# Altium PCB roach2.PcbDoc (part 21 of 39)
Units mil, origin at the board's own origin, x right, y up, seen from the top; angles counter-clockwise.
Board outline 12007.87 x 9606.3 mil, 16 copper layers (L1_TOP, L2_G, L3_S, L4_G, L5_S, L6_P, L7_G, L8_R, L9_R, L10_P, L11_P, L12_S, L13_P, L14_S, L15_G, L16_BOT), stack 81.651 mil thick; 1568 components, 1918 nets, 9251 pads, 6741 vias.
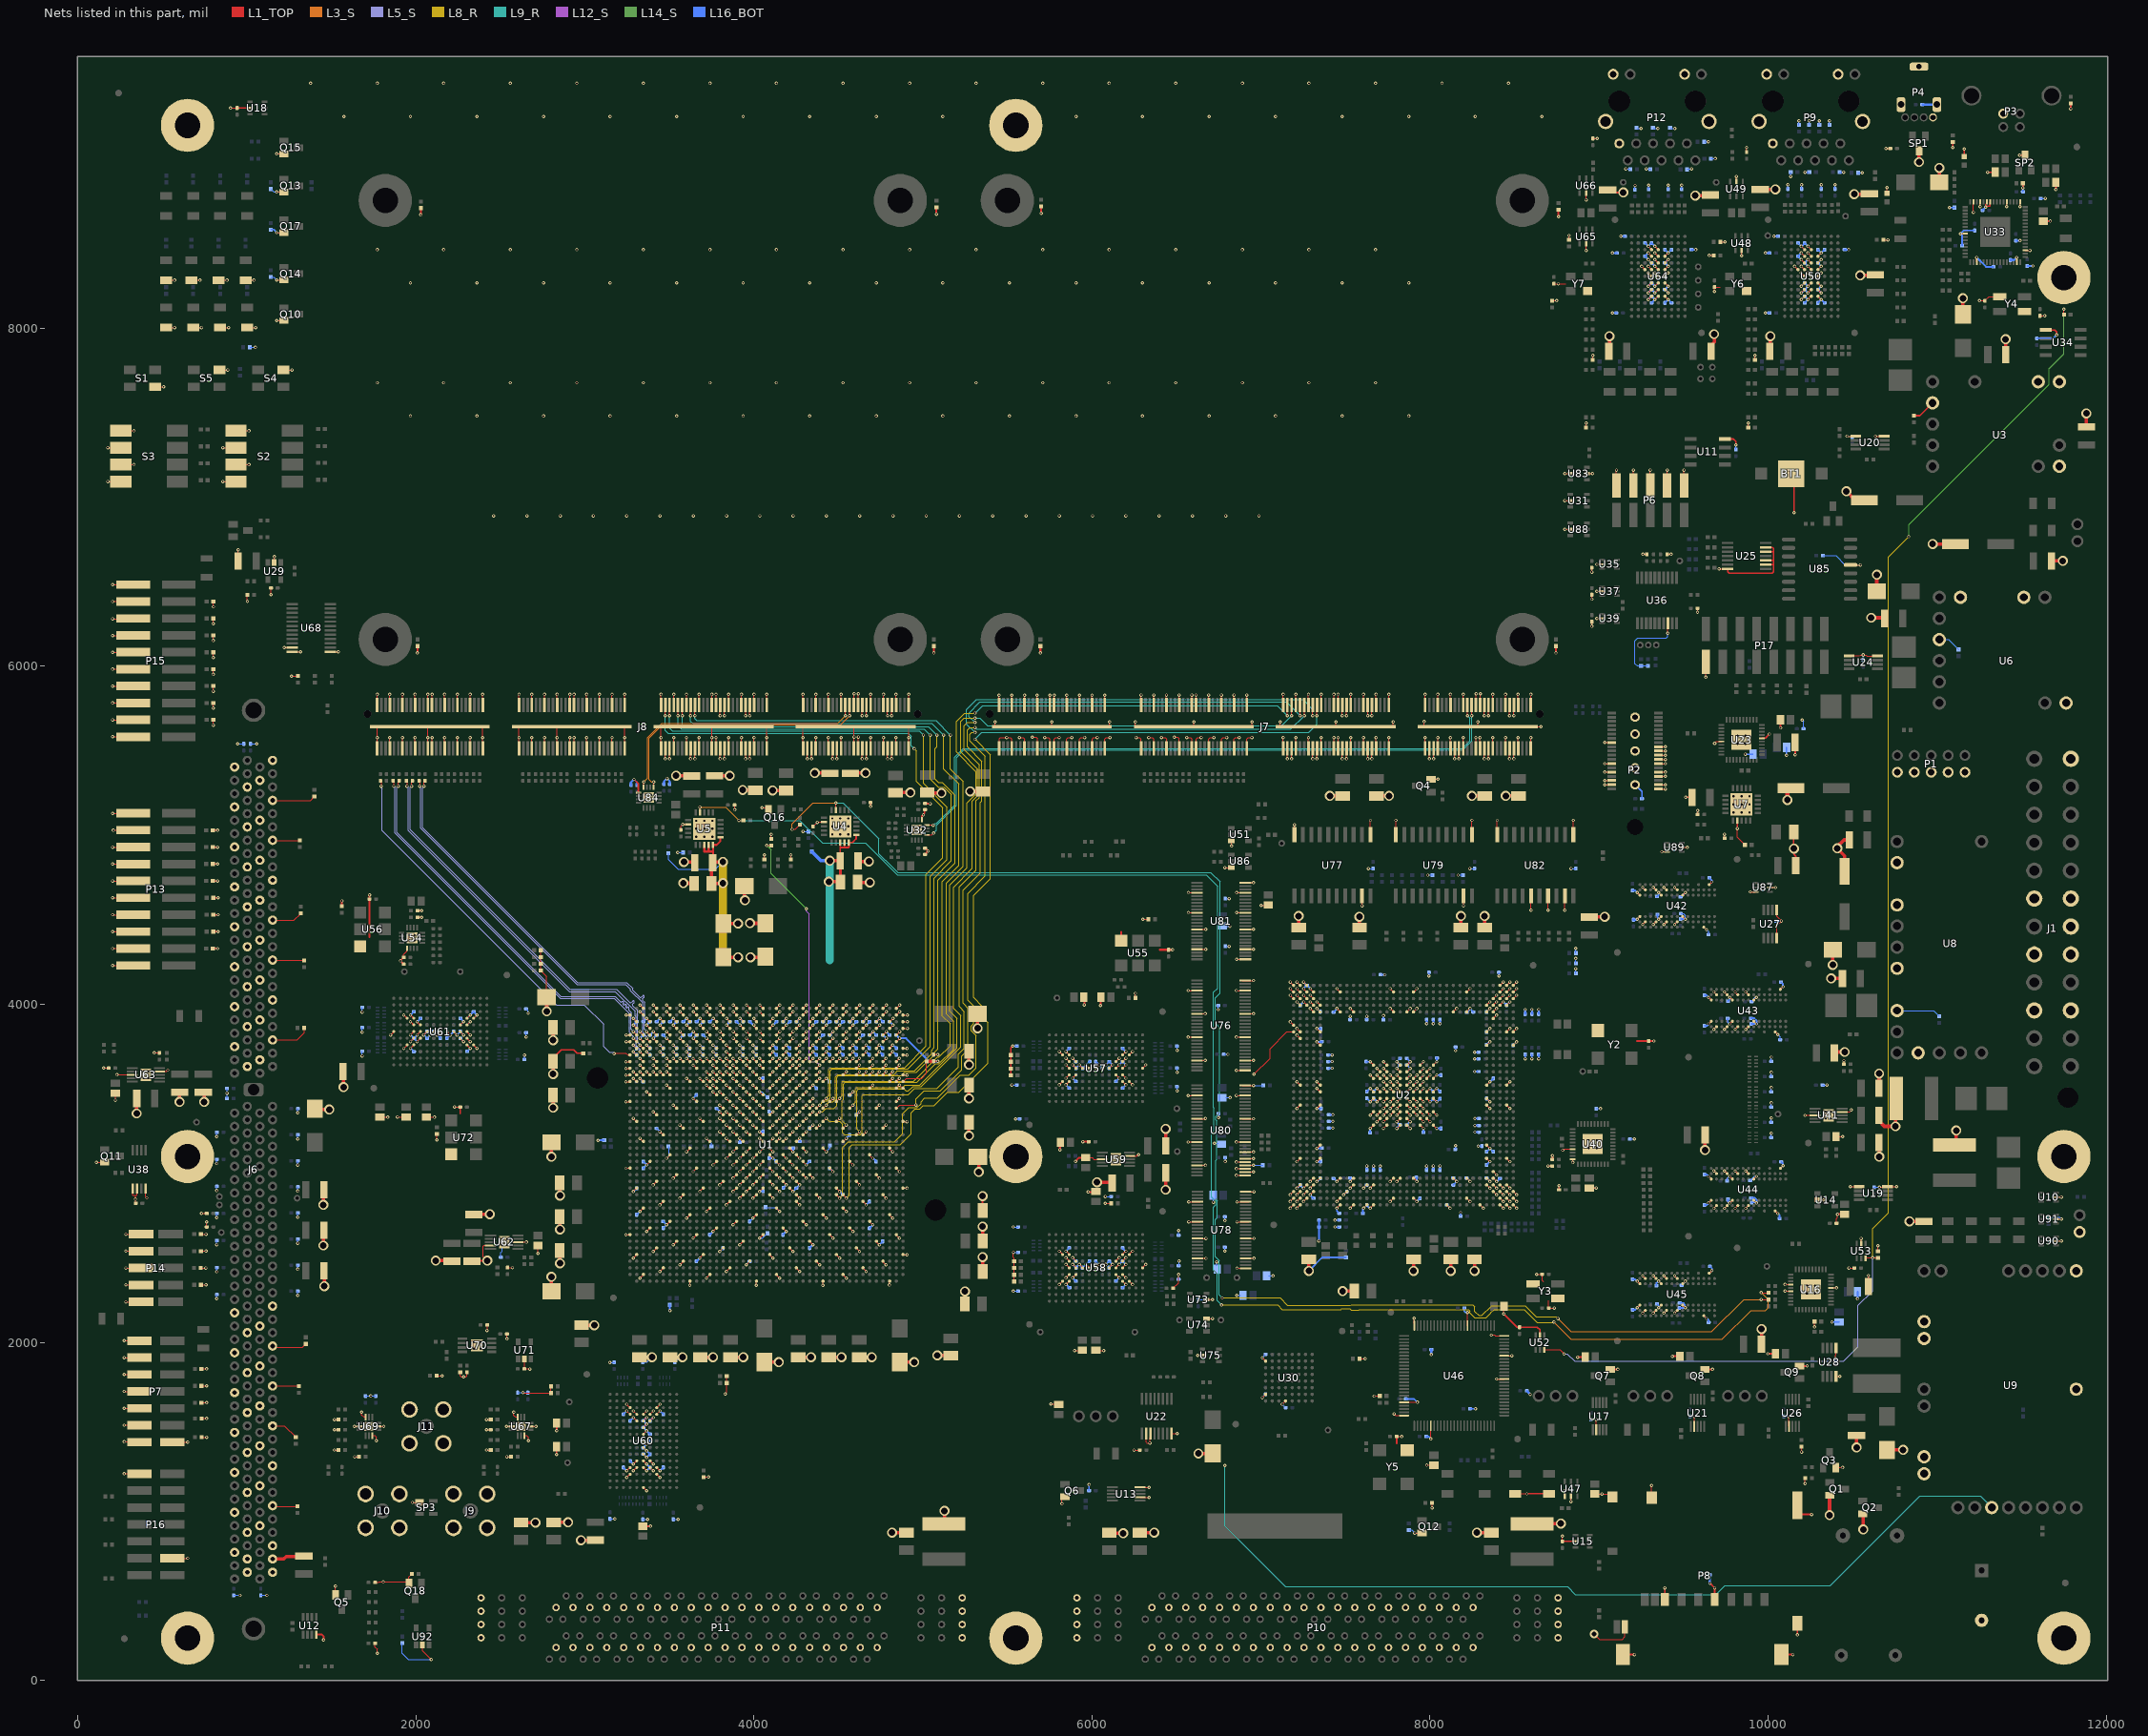
[diagram p35: the nets of this part, all layers, seen from the top]

## Via types
v1: diameter 19.4, hole 10, L1_TOP to L16_BOT, tented both sides, 3354 vias
v2: diameter 19.4, hole 10, L1_TOP to L16_BOT, 1954 vias
v3: diameter 19.4, hole 10, L1_TOP to L16_BOT, tented top, 429 vias
v4: diameter 18.6, hole 10, L1_TOP to L16_BOT, tented both sides, 311 vias
v5: diameter 59.06, hole 39.37, L1_TOP to L16_BOT, 217 vias
v6: diameter 19.4, hole 10.04, L1_TOP to L16_BOT, 125 vias
v7: diameter 19, hole 10, L1_TOP to L16_BOT, 93 vias
v8: diameter 19.4, hole 10, L1_TOP to L16_BOT, tented bottom, 80 vias
v9: diameter 25.98, hole 12.99, L1_TOP to L16_BOT, tented top, 55 vias
v10: diameter 20, hole 10, L1_TOP to L16_BOT, 53 vias
v11: diameter 59.06, hole 39.37, L1_TOP to L16_BOT, tented top, 44 vias
v12: diameter 20, hole 10, L1_TOP to L16_BOT, tented top, 16 vias
v13: diameter 19, hole 10, L1_TOP to L16_BOT, tented top, 5 vias
v14: diameter 25.98, hole 12.99, L1_TOP to L16_BOT, 4 vias
v15: diameter 50, hole 28, L1_TOP to L16_BOT, 1 vias

## Nets (pads, with @x,y where several pads share a name; then routed paths per layer and width w, separated by ;. In a path a pad name is that pad's centre, name@x,y a point inside that pad or via, vN(x,y) a via of type N, cw(c..) or ccw(c..) an arc to the next point about the centre after c; other vN are vias at no path point) (continued)
GND: (continued)
  L16_BOT w10: R225.1@1142.99,8583.31 1159.71,8583.31 v2(1177.42,8565.59) ; v1(1968.5,3779.53) 1988.19,3799.21 C599.1@1988.72,3799.74 ; v1@1969.03,3740.68 C578.1@1988.72,3721 ; v1@1969.03,3819.43 C599.1@1988.72,3799.74 ; v1@1969.03,3937.54 C580.1@1988.19,3956.69 C580.1@1988.72,3957.22 ; v1(2007.87,3779.53) C599.1@1989.17,3798.23 1988.72,3798.68 C599.1@1988.72,3799.74 ; v1@2008.4,3819.42 C599.1@1988.72,3799.74 ; v1@2008.4,3898.17 C573.1@2028.09,3917.85 ; C594.1@2067.46,3839.11 C594.1@2066.93,3838.58 2047.77,3819.43 2067.46,3799.74 v1(2086.61,3818.9) C600.1@2106.3,3838.58 2106.83,3839.11 2126.51,3819.43 2145.22,3800.73 C577.1@2148.17,3800.73 ; C576.1@2182.62,3799.74 2185.57,3799.74 v1(2204.73,3818.9) C597.1@2224.41,3838.58 2224.94,3839.11 2244.62,3819.43 C596.1@2263.78,3838.58 2264.31,3839.11 2283.99,3819.43 v1@2284.98,3819.43 ; C579.1@2264.31,3917.85 2283.01,3899.15 v1@2284.98,3899.15 ; C595.1@2267.26,3797.77 2267.26,3796.79 v1@2284,3780.06 ; C575.1@2303.68,3721 C575.1@2304.13,3721.46 2322.38,3739.7 v1@2323.36,3739.7 ; v1(2322.84,3937.01) C574.1@2342.52,3956.69 v1(2362.21,3937.01) ; C586.1@3227.82,1260.37 C586.1@3228.35,1259.84 v1@3247.5,1240.69 ; C583.1@3228.35,1574.8 v1(3248.03,1594.49) ; C585.1@3267.19,1299.74 v1@3286.87,1280.06 ; C590.1@3267.19,1535.96 3285.89,1554.66 v1@3285.89,1556.63 ; v1@3287.4,2893.7 3289.37,2893.7 3307.07,2911.4 C368.1@3308.07,2912.4 ; v2@3289.3,5329.34 v2(3290.99,5331.02) 3307.99,5314.02 C764.1@3307.99,5297.68 ; C369.1@3307.09,2755.91 v1@3325.55,2774.37 ; v1@3326.77,3562.99 v1@3327.09,3562.67 ; C606.1@3345.93,1339.11 3365.61,1319.43 3385.3,1339.11 3345.93,1378.48 3365.61,1398.17 3384.31,1416.87 C587.1@3384.31,1419.82 ; C402.1@3346.46,3070.86 v1@3366.14,3051.18 ; C343.1@3346.46,3897.64 v1(3366.14,3917.32) ; v1@3365.61,1240.69 3384.81,1259.88 3385.3,1260.37 v1(3366.14,1279.53) v1@3365.61,1280.06 ; v1@3365.61,1556.63 3365.61,1555.65 3345.93,1535.96 C610.1@3346.46,1535.43 3365.61,1516.28 3345.93,1496.59 C609.1@3346.46,1496.06 v1(3366.14,1476.38) 3385.3,1457.22 C588.1@3385.3,1454.27 ; C608.1@3387.27,1538.92 3388.25,1538.92 v1@3404.98,1555.65 ; C334.1@3425.2,3897.64 v1(3444.88,3917.32) ; C401.1@3426.18,3266.73 v1@3444.88,3248.03 ; v1@3444.35,1240.69 C584.1@3464.04,1260.37 ; v1@3445.34,1595.02 3445.34,1594.03 C589.1@3464.04,1575.33 ; C377.1@3464.57,2677.17 3484.25,2696.85 C390.1@3464.57,2716.53 ; v2@3484.3,5334.33 v2(3485.99,5336.02) 3502.99,5319.02 C763.1@3502.99,5302.68 ; v1@3641.73,3444.88 C405.1@3661.42,3464.57 ; C404.1@3780.51,3384.84 v1@3799.21,3366.14 ; v1@3799.21,2539.37 C382.1@3817.9,2558.06 C382.1@3818.9,2559.06 ; v1@3956.69,2460.63 C384.1@3975.38,2479.31 C384.1@3976.38,2480.31 ; C383.1@3976.38,2716.54 v1@3996.06,2736.22 ; v1@4114.17,3090.55 C371.1@4133.86,3070.87 ; C392.1@4174.21,2914.37 v1@4192.91,2933.07 ; v1@4233.27,2894.69 C393.1@4250.97,2912.39 C393.1@4251.97,2913.39 ; C393.1@4252.95,2914.37 v1@4271.65,2933.07 ; v1@4311.02,3051.18 C399.1@4329.71,3069.87 ; C416.1@4331.69,3268.7 v1@4350.39,3287.4 ; v1@4350.39,3523.62 C411.1@4370.08,3503.94 ; v1@4429.13,3562.99 4429.45,3562.67 C409.1@4447.83,3544.29 ; C417.1@4449.8,3030.51 v1@4468.5,3011.81 ; v1@4507.87,2893.7 C397.1@4526.57,2875 ; v1@4547.24,3208.66 C413.1@4565.93,3227.35 C413.1@4566.93,3228.35 ; C410.1@4566.93,3464.57 4585.4,3483.04 v1@4586.61,3484.25 ; C412.1@4606.3,3346.46 v1@4625.99,3366.14 ; v1@4665.36,2814.96 C400.1@4684.06,2833.66 ; C386.1@4684.96,2677.01 4684.96,2677.08 v1@4704.73,2696.85 ; v1@4704.73,3090.55 C414.1@4724.41,3070.87 ; v1@4744.1,2578.74 C398.1@4762.78,2597.43 ; v1@5845.93,2539.83 5846.91,2539.83 C523.1@5865.61,2558.53 ; v1(5846.46,2342.52) C530.1@5866.14,2322.83 ; v1(5846.46,3523.62) C516.1@5866.14,3503.94 ; v1@5846.46,3721.46 5847.44,3721.46 C515.1@5866.14,3740.16 ; v1@5884.31,2380.38 5886.28,2380.38 C526.1@5904.53,2362.2 C526.1@5904.98,2361.68 ; v1@5884.31,2460.1 5885.3,2460.1 5904.49,2440.91 5904.98,2440.42 5906,2441.44 v1@5924.67,2460.1 ; v1@5884.84,3562.01 5886.81,3562.01 C513.1@5905.51,3543.31 ; v1@5884.84,3641.73 v1(5885.83,3641.73) C535.1@5905.51,3622.05 v1(5925.2,3641.73) C537.1@5944.88,3622.05 5984.25,3661.42 C518.1@5987.2,3661.42 ; v1@5885.3,2499.47 5902.03,2482.74 C550.1@5902.03,2481.75 ; v1(5885.83,3681.1) 5902.56,3664.37 C538.1@5902.56,3663.39 ; v1@5924.67,2460.1 5943.37,2441.4 5944.35,2440.42 v1(5964.57,2460.63) 5983.72,2479.79 C524.1@5986.67,2479.79 ; C774.1@5983.31,1122.99 v10@5983.31,1157.68 ; C525.1@6021.12,2478.8 6024.08,2478.8 6042.78,2460.1 6062.46,2440.42 6101.83,2479.79 6121.52,2460.1 C547.1@6101.83,2440.42 ; C514.1@6021.65,3660.43 6024.61,3660.43 v1(6043.31,3641.73) C540.1@6062.99,3622.05 v1(6082.68,3641.73) C534.1@6102.36,3661.42 v1(6122.05,3641.73) C536.1@6102.36,3622.05 ; C527.1@6141.2,2361.68 C527.1@6141.73,2362.2 v1@6160.89,2381.36 ; C517.1@6141.73,3543.31 v1(6161.42,3562.99) ; v1@6160.89,2460.1 6180.57,2479.79 v1@6200.26,2460.1 ; v1(6161.42,3641.73) C539.1@6181.1,3661.42 v1(6200.79,3641.73) ; C528.1@6180.57,2322.31 C528.1@6181.1,2322.83 v1@6200.26,2341.99 ; C529.1@6180.57,2558.53 v1@6200.26,2538.84 ; C520.1@6181.1,3503.94 v1(6200.79,3523.62) ; C519.1@6181.1,3740.16 v1(6200.79,3720.47) ; v1(7213.07,4014.17) 7227.24,4000 C157.1@7228.35,4000 ; v1@7214.57,2911.42 7214.57,2913.39 C106.1@7232.28,2931.1 7232.28,2929.13 v1@7250,2911.42 ; C157.1@7232.28,3994.09 v1@7250,4011.81 ; v1@7251.97,4094.49 7269.68,4112.2 C158.1@7271.65,4112.2 ; v1@7251.97,4129.92 7253.94,4129.92 C158.1@7271.65,4112.2 ; v5(7282.99,2422.99) 7363.31,2503.31 R128.2@7502.99,2503.31 ; v1@7291.34,4094.49 7273.62,4112.2 C158.1@7271.65,4112.2 ; 7297.24,2864.17 7309.06,2852.36 C105.1@7311.02,2852.36 ; v1(7331.18,2951.18) 7333.07,2951.18 C110.1@7346.46,2964.57 ; v1(7331.18,3069.29) 7351.97,3069.29 C155.1@7352.36,3068.9 ; v1(7331.18,3148.03) 7352.75,3148.03 C102.1@7354.33,3149.61 ; v1(7331.18,3384.25) 7355.91,3384.25 C156.1@7356.3,3383.86 ; v1(7331.18,3777.95) 7360.63,3777.95 C103.1@7362.2,3779.53 ; v1(7331.18,3856.69) 7351.97,3856.69 C161.1@7354.33,3854.33 ; v1@7334.65,3972.44 C160.1@7350.39,3956.69 ; v2@7338.99,2598.99 7343.31,2603.31 C81.1@7343.31,2682.99 C82.1@7343.31,2722.99 ; C121.1@7405.51,3622.05 v1(7421.26,3622.05) v1@7425.2,3622.05 ; C120.1@7405.51,3661.42 v1(7421.26,3661.42) v1@7425.2,3661.42 ; C119.1@7405.51,3700.79 v1(7421.26,3700.79) v1@7425.2,3700.79 ; C125.1@7409.45,3267.72 v1(7425.2,3267.72) v1@7429.13,3267.72 ; C124.1@7409.45,3307.09 v1(7425.2,3307.09) v1@7429.13,3307.09 ; C123.1@7409.45,3346.46 v1(7425.2,3346.46) v1@7429.13,3346.46 ; C108.1@7429.13,2970.47 7431.1,2970.47 7449.84,2951.73 v1@7450.79,2950.79 ; C159.1@7429.13,3952.76 v1@7448.82,3972.44 ; v1(7449.29,2793.7) 7449.29,2776.69 C79.1@7457.99,2767.99 ; v1@7488.19,2870.08 7488.19,2874.02 7506.89,2892.72 C83.1@7507.87,2893.7 ; C107.1@7527.56,2974.41 7528.03,2973.94 v1(7528.03,2951.18) ; C153.1@7527.56,3913.39 v1(7527.56,3929.13) v1@7527.56,3933.07 ; C80.1@7602.68,2762.99 7602.68,2787.68 v1@7607.99,2792.99 ; v1(7606.77,2911.81) 7620.08,2925.12 C84.1@7620.08,2927.17 ; v1@7610.24,2793.31 v1@7610.24,2793.7 ; v1@7610.24,2797.24 C109.1@7625.98,2812.99 7625.98,2811.02 v1@7641.73,2795.28 ; C134.1@7622.05,3657.48 7624.02,3659.45 7624.41,3659.84 v1(7646.14,3659.84) ; C127.1@7625.98,3027.56 v1(7625.98,3043.31) v1@7625.98,3047.24 ; C118.1@7625.98,3484.25 v1@7641.73,3500 ; C152.1@7625.98,3913.39 v1(7625.98,3929.13) v1@7625.98,3933.07 ; C122.1@7632.75,3437.01 v1(7646.14,3423.62) C112.1@7657.48,3434.96 ; C135.1@7645.67,3240.16 v1@7645.67,3263.78 ; v1@7645.67,3500 7649.61,3500 C115.1@7665.35,3484.25 v1@7681.1,3500 ; C128.1@7665.35,3027.56 v1(7665.35,3043.31) v1@7665.35,3047.24 ; C112.1@7665.35,3444.88 v1@7685.04,3425.2 ; v1@7704.41,3042.99 v1@7704.7,3043.28 ; C129.1@7704.72,3027.56 7704.72,3043.31 v1@7704.72,3047.24 ; C104.1@7716.54,4175.2 v2@7732.28,4175.2 ; C151.1@7724.41,3917.32 v1(7724.41,3933.05) ; v2@7736.22,4175.2 v2@7732.28,4175.2 ; v2@7737.99,4172.99 7734.49,4172.99 v2@7732.3,4175.18 ; v1@7803.15,3271.65 7807.09,3271.65 C113.1@7822.83,3287.4 7818.9,3287.4 v1@7803.15,3303.15 ; v1@7803.15,3622.05 C117.1@7822.83,3641.73 ; v1@7803.15,3657.48 7803.15,3661.42 C154.1@7822.83,3681.1 ; v1@7804.57,3658.9 7813.86,3649.61 C117.1@7818.9,3649.61 ; C263.1@7857.68,1665.2 7905.23,1665.2 v2(7924.91,1645.51) ; C150.1@7866.14,3677.17 7882.36,3660.94 v1(7882.36,3659.84) ; v1@7877.95,3653.54 7866.14,3641.73 7862.2,3641.73 C116.1@7863.19,3640.75 v1@7881.89,3622.05 ; v1@7881.89,3267.72 7862.2,3287.4 7881.34,3306.54 v1@7881.89,3307.09 ; C64.1@7921.26,2978.35 7921.73,2977.87 v1(7921.73,2951.18) ; v1@7923.23,2832.68 7923.23,2834.65 C214.1@7940.94,2852.36 ; C66.1@7960.63,3242.13 v1@7960.63,3265.75 ; C270.1@7977.68,1442.99 7990.76,1442.99 v2(8005.2,1428.55) ; C137.1@7980.31,3027.56 v1(7980.31,3043.31) v1@7980.31,3047.24 ; v1@7980.31,3881.89 v1(7980.31,3885.83) C149.1@7980.31,3901.57 ; v8@7994.09,4163.39 v8(7994.09,4167.32) C98.1@7994.09,4183.07 ; v1(8000.47,3423.62) 8002.36,3423.62 C126.1@8011.81,3433.07 ; v1@8003.94,3500 C138.1@8019.69,3484.25 8039.37,3503.94 8040.39,3502.91 C146.1@8059.06,3484.25 ; C111.1@8019.68,3027.56 v1(8019.68,3043.31) v1@8019.68,3047.24 ; C126.1@8019.68,3440.94 v1@8035.43,3425.2 ; v1@8019.68,3881.89 v1(8019.68,3885.83) C148.1@8019.68,3901.57 ; C85.1@8039.37,3685.04 8039.84,3684.57 v1(8039.84,3659.84) ; v1(8039.84,3266.14) 8065.35,3266.14 C65.1@8066.93,3267.72 ; v1@8041.34,3580.71 C86.1@8064.96,3580.71 ; v1@8043.31,3425.2 C142.1@8059.05,3440.94 ; C136.1@8059.06,3027.56 v1(8059.06,3043.31) v1@8059.06,3047.24 ; v1@8059.06,3881.89 v1(8059.06,3885.83) C147.1@8059.06,3901.57 ; C73.1@8098.43,2812.99 8100.39,2812.99 8119.14,2794.25 v1@8120.08,2793.31 ; C212.1@8137.8,2931.1 8155.51,2948.82 v1@8159.45,2948.82 ; C61.1@8143.7,2968.5 v1@8157.95,2954.25 ; C74.1@8151.57,3147.64 v1(8151.57,3163.39) v1@8151.57,3167.32 ; v1@8151.57,3722.44 v1(8151.57,3726.38) C99.1@8151.57,3742.13 ; C76.1@8181.1,2751.97 v1(8181.1,2767.72) v1@8181.1,2771.65 ; C265.1@8202.68,2202.99 8202.68,2185.31 8210.55,2177.43 v2(8221.73,2177.43) ; C70.1@8216.54,2972.44 8237.25,2951.73 v1@8238.19,2950.79 ; C90.1@8218.5,3952.76 v1@8236.22,3970.47 ; C267.1@8236.68,1606.99 v2(8268.99,1606.99) ; v1@8238.19,3972.44 C89.1@8255.91,3954.72 ; v1@8259.84,3602.36 v1(8263.78,3602.36) C143.1@8279.53,3602.36 ; v1@8259.84,3677.17 v1(8263.78,3677.17) C144.1@8279.53,3677.17 ; v1@8259.84,3716.54 v1(8263.78,3716.54) C145.1@8279.53,3716.54 ; v1@8261.81,3244.09 v1(8265.75,3244.09) C139.1@8281.5,3244.09 ; v1@8261.81,3283.46 v1(8265.75,3283.46) C140.1@8281.5,3283.46 ; v1@8261.81,3324.8 v1(8265.75,3324.8) C141.1@8281.5,3324.8 ; v1@8281.5,3161.42 v1(8285.43,3161.42) C72.1@8301.18,3161.42 ; C62.1@8334.65,2972.44 v1@8354.33,2952.76 ; C71.1@8334.65,3049.21 v1@8352.36,3066.93 ; C63.1@8334.65,3127.95 v1@8354.33,3147.64 ; C67.1@8334.65,3442.91 8354.37,3423.19 v1@8356.3,3421.26 ; C87.1@8334.65,3759.84 v1@8352.36,3777.56 ; C96.1@8334.65,3836.61 v1@8352.36,3854.33 ; C88.1@8334.65,3954.72 v1@8354.33,3974.41 ; v1@8354.33,3149.61 v1@8354.33,3147.64 ; v1@8354.33,3541.34 C213.1@8374.02,3561.02 C213.1@8374.02,3562.99 ; C215.1@8374.02,3127.95 8354.37,3147.6 v1@8354.33,3147.64 ; v1@8396.32,2952.32 C75.1@8414.04,2970.04 ; v8@8407.48,4163.39 v8(8407.48,4167.32) C101.1@8407.48,4183.07 ; C75.1@8414.6,2969.51 C75.1@8416.57,2969.51 ; v1@8438.98,4011.81 8438.98,4009.84 C100.1@8452.76,3996.06 8468.5,4011.81 v1@8472.44,4011.81 ; C97.1@8492.13,3757.87 v1@8511.81,3777.56 ; v8(8562.99,3677.99) C60.1@8562.99,3703.31 ; v8(8602.99,3677.99) C59.1@8602.99,3703.31 ; v8(8642.99,3677.99) C58.1@8642.99,3703.31 ; v1(9078.74,8090.55) C687.1@9102.36,8090.55 C687.1@9105.31,8090.55 ; v1(9079.72,8444.88) C690.1@9106.3,8444.88 ; v1(9128.94,8544.29) C680.1@9153.54,8544.29 C680.1@9155.51,8544.29 ; C256.1@9197.99,2192.68 9212.68,2192.68 v4@9222.99,2202.99 ; C255.1@9197.99,2373.31 9212.68,2373.31 v4@9222.99,2362.99 ; C230.1@9197.99,4673.31 9212.68,4673.31 v4@9222.99,4662.99 ; P2.39@9212.99,5298.99 9253.68,5258.31 C165.2@9253.68,5215.99 ; v4@9225.66,4500.66 v4@9227.99,4502.99 ; C683.1@9271.65,8503.94 v1(9291.34,8484.25) C684.1@9311.02,8503.94 v1(9330.71,8484.25) ; v1(9291.34,8169.29) C698.1@9311.02,8188.98 v1(9330.71,8169.29) C699.1@9311.02,8149.61 ; v1(9291.34,8208.66) C695.1@9311.02,8228.35 v1(9330.71,8208.66) ; v1(9291.34,8248.03) C688.1@9311.02,8267.72 v1(9330.71,8248.03) ; v1(9291.34,8444.88) C691.1@9271.65,8425.2 v1(9291.34,8405.51) C700.1@9311.02,8385.83 v1(9330.71,8366.14) ; C257.1@9339.22,2335.11 9339.22,2349.22 v4@9347.99,2357.99 ; C258.1@9342.68,2227.99 9352.99,2217.68 v4@9352.99,2207.99 ; C226.1@9342.68,4637.99 C226.1@9342.99,4637.99 ; C228.1@9344.92,4532.16 9344.92,4516.06 v4@9352.99,4507.99 ; C226.1@9347.99,4641.99 9352.36,4646.36 v4(9352.36,4661.42) ; C692.1@9389.76,8149.61 v1(9409.45,8169.29) C693.1@9429.13,8149.61 ; C681.1@9389.76,8464.57 v1(9409.45,8444.88) C682.1@9429.13,8464.57 ; v1(9409.45,8208.66) C697.1@9389.76,8228.35 v1(9409.45,8248.03) ; v1(9409.45,8366.14) C696.1@9389.76,8385.83 v1(9409.45,8405.51) ; C253.1@9475.05,2203.22 9507.76,2203.22 v4@9507.99,2202.99 ; C260.1@9477.01,2232.75 9498.23,2232.75 9507.99,2222.99 v4@9507.99,2207.99 ; C223.1@9482.71,4504.6 9511.38,4504.6 v4@9512.99,4502.99 ; C225.1@9482.71,4638.4 9488.4,4638.4 v4@9507.99,4657.99 ; C259.1@9487.68,2337.99 9507.99,2358.31 v4@9507.99,2362.99 ; C689.1@9545.28,8464.57 C689.1@9547.24,8464.57 v1(9571.85,8464.57) ; C246.1@9622.99,2812.68 9637.68,2812.68 v4@9642.99,2817.99 ; C406.1@9622.99,2993.31 9637.68,2993.31 v4@9642.99,2987.99 ; C237.1@9622.99,3872.68 9637.68,3872.68 v4@9647.99,3882.99 ; C236.1@9622.99,4053.31 9637.68,4053.31 v4@9647.99,4042.99 ; v4@9637.99,2142.99 9648.31,2132.68 C407.1@9648.31,2117.99 ; C231.1@9652.68,4747.99 9667.99,4732.68 v4@9667.99,4722.99 ; C261.1@9656.15,2449.29 9667.99,2437.44 v4@9667.99,2422.99 ; C235.1@9761.24,3917.25 9761.24,3894.74 v4@9772.99,3882.99 ; C249.1@9762.68,2847.99 9762.68,2833.31 v4@9767.99,2827.99 ; C240.1@9762.68,4017.99 9772.99,4028.31 v4@9772.99,4037.99 ; C241.1@9897.68,3917.99 9917.99,3917.99 9932.99,3902.99 9932.99,3882.99 9932.2,3883.78 C233.1@9901.01,3883.78 ; C245.1@9899.74,2854.63 9921.35,2854.63 9932.99,2842.99 v4@9932.99,2827.99 ; C243.1@9902.99,2827.68 9932.68,2827.68 v4@9932.99,2827.99 ; C238.1@9902.97,4019.55 9904.55,4019.55 v4@9927.99,4042.99 ; v4@9932.99,2822.99 v4@9932.99,2827.99 ; v1(9984.25,8090.55) C286.1@10007.87,8090.55 C286.1@10010.83,8090.55 ; v1(9984.25,8444.88) C287.1@10008.86,8444.88 C287.1@10010.83,8444.88 ; v1(10033.94,8544.29) C279.1@10059.06,8544.29 C279.1@10060.51,8544.29 ; C55.1@10047.68,4492.99 v2(10078.99,4492.99) ; v4@10057.99,2762.99 10058.13,2762.85 10068.31,2752.68 C250.1@10068.31,2732.99 ; C372.1@10076.14,4131.75 10087.99,4119.9 v4@10087.99,4107.99 ; C248.1@10077.68,3067.99 10087.99,3057.68 v4@10087.99,3047.99 ; C276.1@10177.17,8503.94 10177.17,8503.82 10196.79,8484.19 10197.99,8482.99 10216.54,8501.54 C278.1@10216.54,8503.94 v1(10236.22,8484.25) 10237.48,8482.99 v1@10237.99,8482.99 ; v1(10196.85,8169.29) C293.1@10216.54,8188.98 v1(10236.22,8169.29) C290.1@10216.54,8149.61 ; v1(10196.85,8208.66) 10198.82,8208.66 C296.1@10217.52,8227.36 ; v1(10196.85,8248.03) C283.1@10216.54,8267.72 v1(10236.22,8248.03) 10217.52,8229.33 C296.1@10217.52,8227.36 ; v1(10196.85,8405.51) C284.1@10177.17,8425.2 v1(10196.85,8444.88) ; v1(10236.22,8208.66) C296.1@10217.52,8227.36 ; v1(10236.22,8366.14) C291.1@10216.54,8385.83 v1(10236.22,8405.51) ; C277.1@10292.99,8462.99 10296.85,8462.99 v1(10314.96,8444.88) ; C288.1@10295.28,8149.61 v1(10314.96,8169.29) C282.1@10334.65,8149.61 ; v1@10312.99,8442.99 10313.07,8442.99 v1(10314.96,8444.88) ; v1(10314.96,8208.66) C295.1@10295.28,8228.35 v1(10314.96,8248.03) ; v1(10314.96,8366.14) C292.1@10295.28,8385.83 v1(10314.96,8405.51) ; C275.1@10334.65,8464.57 v1(10314.96,8444.88) ; v2(10377.65,2120.47) C40.1@10420,2120.47 ; v10(10411.18,2757.99) v10@10411.18,2761.93 ; C285.1@10449.8,8464.57 C285.1@10452.76,8464.57 v1(10476.38,8464.57) ; v2(10529.53,2257.65) C41.1@10529.53,2300 ; C54.1@10562.99,6037.68 v10(10562.99,6066.99) ; v2@11072.99,8712.99 v2(11073.31,8713.31) R492.1@11102.99,8713.31 ; C174.1@11147.68,8487.99 11147.68,8548.82 v3(11137.35,8559.15) 11156.5,8578.31 C175.1@11222.99,8578.31 ; C172.1@11465.99,8518.31 v3(11489.68,8518.31) ; C179.1@11507.68,8807.99 v1(11507.68,8830.31) ; C171.1@11532.99,8368.31 v2(11566.31,8368.31) ; v1@3327.09,3562.67 3346.46,3543.31 v1@3327.09,3562.67
  L16_BOT w12: v2@3078.99,3195.99 R267.1@3114.31,3195.99 ; C765.1@3272.99,5295.71 C765.1@3272.99,5297.68 3272.99,5313.02 v2(3290.99,5331.02) ; v1@3287.4,3759.84 C345.1@3307.08,3740.16 ; C367.1@3346.46,3031.5 v1@3366.14,3051.18 ; v1@3366.14,3759.84 C353.1@3385.82,3740.16 ; C342.1@3385.83,3818.9 v1(3405.51,3838.58) ; v1@3444.88,3759.84 v1@3445.2,3759.53 ; C333.1@3464.57,3818.9 v1(3484.25,3799.21) ; C762.1@3467.99,5300.71 C762.1@3467.99,5302.68 3467.99,5318.02 v2(3485.99,5336.02) ; v2(3502.99,2187.99) R265.1@3502.99,2222.31 R265.1@3502.99,2223.31 ; C332.1@3503.94,3897.64 v1(3523.62,3917.32) ; v1@3523.62,3759.84 v1@3523.94,3759.53 ; C340.1@3582.68,3897.64 v1(3602.36,3917.32) ; v1@3602.36,3759.84 C601.1@3622.05,3740.16 ; C341.1@3622.05,3818.9 v1(3641.73,3838.58) ; C381.1@3661.42,2480.31 v1@3681.1,2500 ; C331.1@3661.42,3897.64 v1(3681.1,3917.32) ; v1@3681.1,3759.84 C346.1@3700.79,3740.16 ; C330.1@3700.79,3818.9 v1(3720.47,3799.21) ; C379.1@3740.16,2637.8 v1@3759.84,2657.48 ; C339.1@3740.16,3897.64 v1(3759.84,3917.32) ; v1@3759.84,3759.84 C354.1@3779.53,3740.16 ; v1(3838.58,3877.95) C581.1@3858.27,3897.64 ; C323.1@3917.32,3188.98 v1@3917.32,3208.66 ; v1@3917.32,3759.84 C347.1@3937.01,3740.16 ; v1@3918.66,3916.69 3937.36,3897.99 C559.1@3938.34,3897.01 ; v1@3996.06,3759.84 C355.1@4015.75,3740.16 ; v1@4035.43,2893.7 C320.1@4055.12,2893.7 ; v1@4035.43,3248.03 C324.1@4055.12,3248.03 ; v1@4035.43,3562.99 C325.1@4055.12,3562.99 ; C322.1@4094.49,3090.55 v1@4114.17,3090.55 ; v1@4114.17,3759.84 C348.1@4133.86,3740.16 ; C365.1@4173.23,2637.8 v1@4192.91,2657.48 ; C552.1@4173.23,3897.64 v1(4192.91,3917.32) ; v1@4192.91,3759.84 C356.1@4212.6,3740.16 ; v1@4232.28,3129.92 C319.1@4232.28,3149.61 ; C551.1@4251.97,3897.64 v1(4271.65,3917.32) ; C318.1@4271.65,3188.98 v1@4271.65,3208.66 ; C366.1@4330.71,2559.06 v1@4350.39,2578.74 ; v1@4350.39,3759.84 C349.1@4370.08,3740.16 ; C541.1@4409.45,3897.64 v1(4429.13,3917.32) ; v1@4429.13,3759.84 C357.1@4448.82,3740.16 ; C531.1@4448.82,3818.9 v1(4468.5,3838.58) ; C327.1@4488.19,3897.64 v1(4507.87,3917.32) ; v1@4507.87,3759.84 v1@4508.19,3759.53 ; C338.1@4566.93,3897.64 v1(4586.62,3917.32) ; v1@4586.62,3759.84 C358.1@4606.3,3740.16 ; C329.1@4645.67,3897.64 v1(4665.36,3917.32) ; v1@4665.36,3759.84 C351.1@4685.04,3740.16 ; C521.1@4685.04,3818.9 v1(4704.73,3838.58) C337.1@4724.41,3818.9 ; C335.1@4724.41,3897.64 v1(4744.1,3917.32) C328.1@4763.78,3897.64 ; v1@4744.1,3759.84 C359.1@4763.78,3740.16 ; v1(4783.47,3838.58) C336.1@4803.15,3818.9 ; v1@4822.84,3759.84 C352.1@4842.52,3740.16 ; v2(8007.68,1927.68) C266.1@8007.68,1957.99 ; C93.1@8562.99,3942.68 v2(8562.99,3968.99) ; C269.1@8572.68,1712.99 v2(8592.68,1692.99) ; v2@8601.99,3969.99 v2(8602.99,3968.99) C91.1@8602.99,3942.68 ; C92.1@8642.99,3942.68 v2@8642.99,3967.99 ; C229.1@9203.19,4500.66 9224.66,4500.66 v4@9225.99,4501.99 ; C271.1@9654.69,625 9654.69,577.31 v2(9656,576) ; C184.1@10912.68,9322.99 P4.6@10999.29,9322.99 ; v3(11234.72,8418.34) 11290.07,8362.99 C173.1@11333.31,8362.99 ; C178.1@11268.31,8697.99 v1(11287.31,8716.99) ; C180.1@11432.99,8403.31 11455.91,8403.31 v3(11470.94,8418.34) ; v1@3445.2,3759.53 3464.07,3740.66 3464.57,3740.16 3464.07,3740.66 v1@3445.2,3759.53 ; v1@3523.94,3759.53 C591.1@3542.81,3740.66 ; v1@3523.94,3759.53 C591.1@3542.81,3740.66 ; C591.1@3542.81,3740.66 3543.31,3740.16 C591.1@3542.81,3740.66 ; v1@4508.19,3759.53 C350.1@4527.06,3740.66 ; v1@4508.19,3759.53 C350.1@4527.06,3740.66 ; C350.1@4527.06,3740.66 4527.56,3740.16 C350.1@4527.06,3740.66